# KiCad board prrplsattiny20_panel.kicad_pcb (continued)
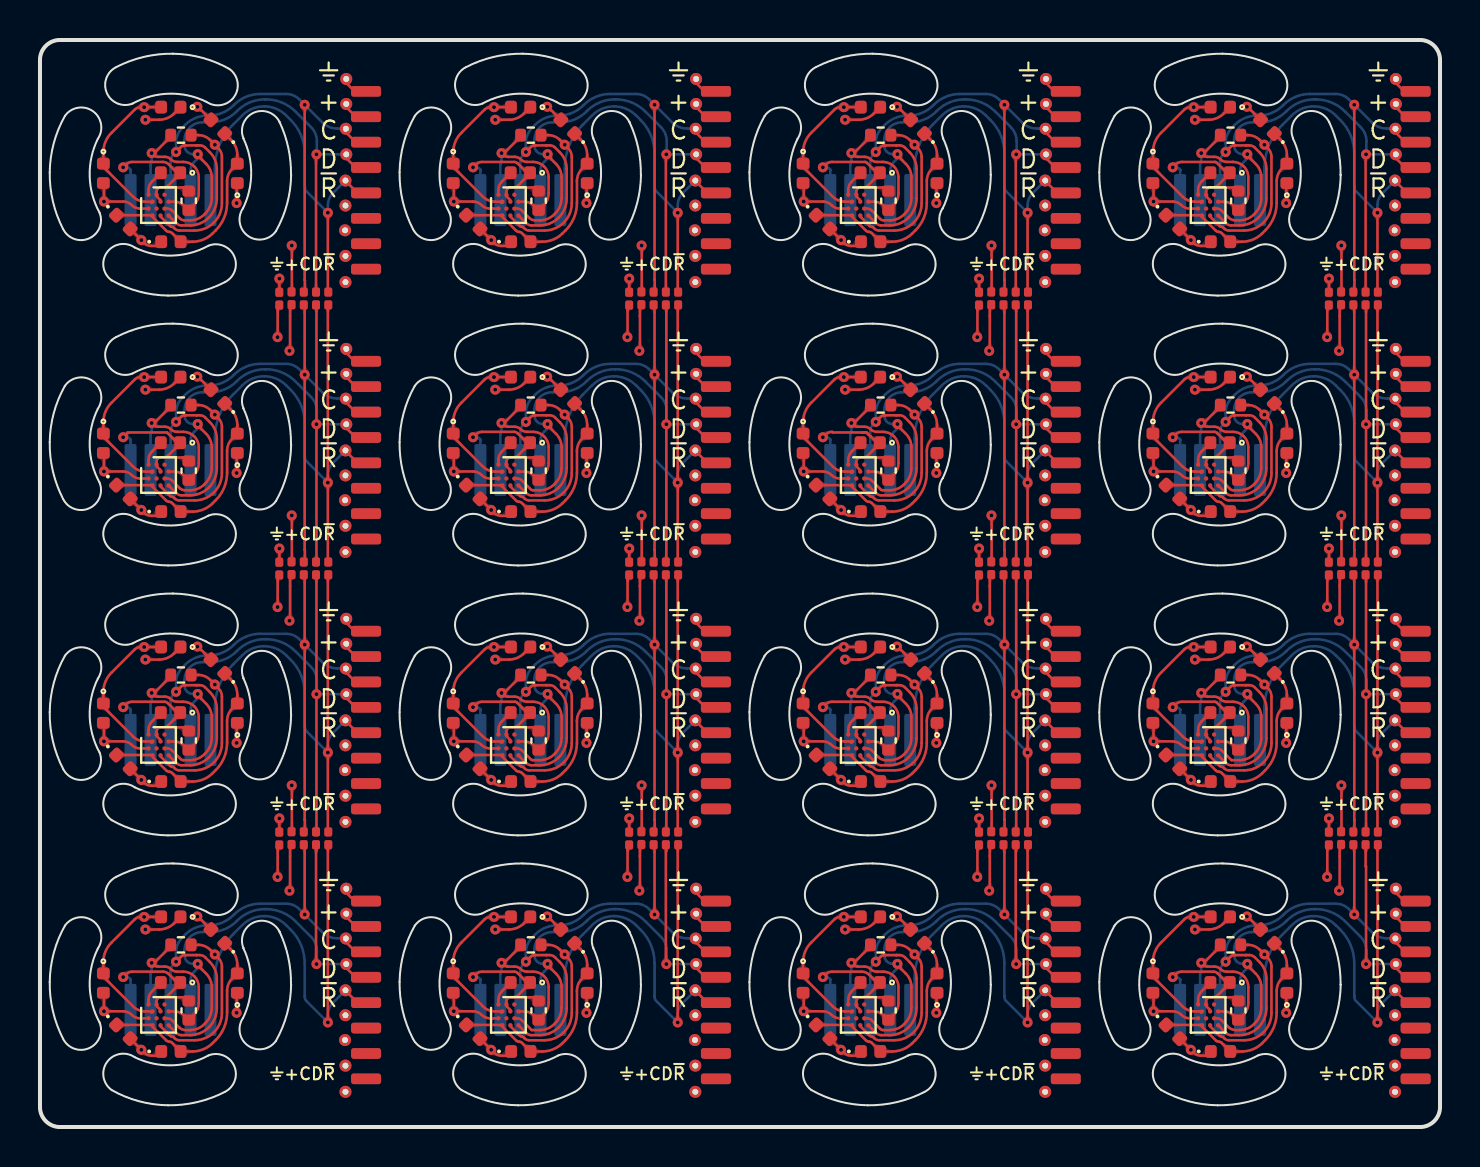
[diagram p0: board, top side]
## Nets (continued)
/~{RESET}: J1.5 J2.01 J3.5 J4.01 J5.5 J6.01 J7.5 J8.01 J9.5 J10.01 J11.5 J12.01 J13.5 J14.01 J15.5 J16.01 J17.5 J18.01 J19.5 J20.01 J21.5 J22.01 J23.5 J24.01 J25.5 J26.01 J27.5 J28.01 J29.5 J30.01 J31.5 J32.01 JP1010.1 JP1010.2 JP1015.1 JP1015.2 JP1020.1 JP1020.2 JP1025.1 JP1025.2 JP1030.1 JP1030.2 JP1035.1 JP1035.2 JP1040.1 JP1040.2 JP1045.1 JP1045.2 JP1050.1 JP1050.2 JP1055.1 JP1055.2 JP1060.1 JP1060.2 JP1065.1 JP1065.2 R1.1 R2.1 R3.1 R4.1 R5.1 R6.1 R7.1 R8.1 R9.1 R10.1 R11.1 R12.1 R13.1 R14.1 R15.1 R16.1 U1.D4 U2.D4 U3.D4 U4.D4 U5.D4 U6.D4 U7.D4 U8.D4 U9.D4 U10.D4 U11.D4 U12.D4 U13.D4 U14.D4 U15.D4 U16.D4

Pads without a net: J1 6 7 8 9 10 11 12 13 14 15 16; J3 6 7 8 9 10 11 12 13 14 15 16; J5 6 7 8 9 10 11 12 13 14 15 16; J7 6 7 8 9 10 11 12 13 14 15 16; J9 6 7 8 9 10 11 12 13 14 15 16; J11 6 7 8 9 10 11 12 13 14 15 16; J13 6 7 8 9 10 11 12 13 14 15 16; J15 6 7 8 9 10 11 12 13 14 15 16; J17 6 7 8 9 10 11 12 13 14 15 16; J19 6 7 8 9 10 11 12 13 14 15 16; J21 6 7 8 9 10 11 12 13 14 15 16; J23 6 7 8 9 10 11 12 13 14 15 16; J25 6 7 8 9 10 11 12 13 14 15 16; J27 6 7 8 9 10 11 12 13 14 15 16; J29 6 7 8 9 10 11 12 13 14 15 16; J31 6 7 8 9 10 11 12 13 14 15 16; U1 A5 C3; U2 A5 C3; U3 A5 C3; U4 A5 C3; U5 A5 C3; U6 A5 C3; U7 A5 C3; U8 A5 C3; U9 A5 C3; U10 A5 C3; U11 A5 C3; U12 A5 C3; U13 A5 C3; U14 A5 C3; U15 A5 C3; U16 A5 C3

## Via types
v1: diameter 0.5, hole 0.2, Top to Bottom, 272 vias

## Routing (per net, layer and track width the routed paths; a pad name or vN(x,y) marks a point on that pad's centre or on a via; arc(x,y) is an arc through that point)
+5V: length 216.6
  Top w0.127: 24.02,49.52 23.25,48.75 arc(23.21,48.72) 23.15,48.71 v1(23.09,48.71) 23.18,48.62 arc(23.28,48.55) 23.4,48.53 23.75,48.53 arc(23.91,48.49) 24.05,48.4 arc(24.19,48.3) 24.36,48.27 24.67,48.27 arc(24.97,48.21) 25.22,48.04 arc(25.38,47.79) 25.44,47.5 25.44,46.71 arc(25.38,46.38) 25.19,46.1 25.16,46.07 arc(24.94,45.98) 24.72,46.07 24.71,46.08 arc(24.48,46.23) 24.22,46.28 U3.B6 ; v1(47.59,44.09) 47.6,44.09 arc(47.6,44.08) 47.6,44.08 47.6,41.79 ; v1(29.98,25.32) 30,25.34 arc(30.01,25.35) 30.01,25.37 30.01,27.49 ; 32.85,23.98 33.35,23.48 ; 30.1,41.79 30.1,44.08 arc(30.1,44.08) 30.1,44.09 v1(30.09,44.09) ; 32.85,50.98 33.35,50.48 ; U9.B6 59.22,32.78 arc(59.48,32.73) 59.71,32.58 C9.1 60.19,32.6 arc(60.38,32.88) 60.44,33.21 60.44,34 arc(60.38,34.29) 60.22,34.54 arc(59.97,34.71) 59.67,34.77 59.36,34.77 arc(59.19,34.8) 59.05,34.9 arc(58.91,34.99) 58.75,35.03 58.4,35.03 arc(58.28,35.05) 58.18,35.12 v1(58.09,35.21) 58.15,35.21 arc(58.21,35.22) 58.25,35.25 59.02,36.02 ; 6.52,9.02 5.75,8.25 arc(5.71,8.22) 5.65,8.21 v1(5.59,8.21) 5.68,8.12 arc(5.78,8.05) 5.9,8.03 6.25,8.03 arc(6.41,7.99) 6.55,7.9 arc(6.69,7.8) 6.86,7.77 7.17,7.77 arc(7.47,7.71) 7.72,7.54 arc(7.88,7.29) 7.94,7 7.94,6.21 arc(7.88,5.88) 7.69,5.6 7.66,5.57 arc(7.44,5.48) 7.22,5.57 7.21,5.58 arc(6.98,5.73) 6.72,5.78 U14.B6 ; v1(12.48,38.82) 12.5,38.84 arc(12.51,38.85) 12.51,38.87 12.51,40.99 ; 50.35,37.48 50.85,36.98 ; 47.51,27.49 47.51,25.37 arc(47.51,25.35) 47.5,25.34 v1(47.48,25.32) ; 12.6,41.79 12.6,44.08 arc(12.6,44.08) 12.6,44.09 v1(12.59,44.09) ; 30.01,13.99 30.01,11.87 arc(30.01,11.85) 30,11.84 v1(29.98,11.82) ; v1(12.59,17.09) 12.6,17.09 arc(12.6,17.08) 12.6,17.08 12.6,14.79 ; U6.B6 6.72,32.78 arc(6.98,32.73) 7.21,32.58 7.22,32.57 arc(7.44,32.48) 7.66,32.57 7.69,32.6 arc(7.88,32.88) 7.94,33.21 7.94,34 arc(7.88,34.29) 7.72,34.54 arc(7.47,34.71) 7.17,34.77 6.86,34.77 arc(6.69,34.8) 6.55,34.9 arc(6.41,34.99) 6.25,35.03 5.9,35.03 arc(5.78,35.05) 5.68,35.12 v1(5.59,35.21) 5.65,35.21 arc(5.71,35.22) 5.75,35.25 6.52,36.02 ; U13.B6 59.22,19.28 arc(59.48,19.23) 59.71,19.08 C13.1 60.19,19.1 arc(60.38,19.38) 60.44,19.71 60.44,20.5 arc(60.38,20.79) 60.22,21.04 arc(59.97,21.21) 59.67,21.27 59.36,21.27 arc(59.19,21.3) 59.05,21.4 arc(58.91,21.49) 58.75,21.53 58.4,21.53 arc(58.28,21.55) 58.18,21.62 v1(58.09,21.71) 58.15,21.71 arc(58.21,21.72) 58.25,21.75 59.02,22.52 ; U4.B6 41.72,46.28 arc(41.98,46.23) 42.21,46.08 C4.1 42.69,46.1 arc(42.88,46.38) 42.94,46.71 42.94,47.5 arc(42.88,47.79) 42.72,48.04 arc(42.47,48.21) 42.17,48.27 41.86,48.27 arc(41.69,48.3) 41.55,48.4 arc(41.41,48.49) 41.25,48.53 40.9,48.53 arc(40.78,48.55) 40.68,48.62 v1(40.59,48.71) 40.65,48.71 arc(40.71,48.72) 40.75,48.75 41.52,49.52 ; 65.1,14.79 65.1,17.08 arc(65.1,17.08) 65.1,17.09 v1(65.09,17.09) ; 24.02,36.02 23.25,35.25 arc(23.21,35.22) 23.15,35.21 v1(23.09,35.21) 23.18,35.12 arc(23.28,35.05) 23.4,35.03 23.75,35.03 arc(23.91,34.99) 24.05,34.9 arc(24.19,34.8) 24.36,34.77 24.67,34.77 arc(24.97,34.71) 25.22,34.54 arc(25.38,34.29) 25.44,34 25.44,33.21 arc(25.38,32.88) 25.19,32.6 25.16,32.57 arc(24.94,32.48) 24.72,32.57 24.71,32.58 arc(24.48,32.73) 24.22,32.78 U7.B6 ; 15.35,37.48 15.85,36.98 ; 30.01,40.99 30.01,38.87 arc(30.01,38.85) 30,38.84 v1(29.98,38.82) ; 67.85,23.98 68.35,23.48 ; 6.52,22.52 5.75,21.75 arc(5.71,21.72) 5.65,21.71 v1(5.59,21.71) 5.68,21.62 arc(5.78,21.55) 5.9,21.53 6.25,21.53 arc(6.41,21.49) 6.55,21.4 arc(6.69,21.3) 6.86,21.27 7.17,21.27 arc(7.47,21.21) 7.72,21.04 arc(7.88,20.79) 7.94,20.5 7.94,19.71 arc(7.88,19.38) 7.69,19.1 7.66,19.07 arc(7.44,18.98) 7.22,19.07 7.21,19.08 arc(6.98,19.23) 6.72,19.28 U10.B6 ; 67.85,50.98 68.35,50.48 ; U12.B6 41.72,19.28 arc(41.98,19.23) 42.21,19.08 C12.1 42.69,19.1 arc(42.88,19.38) 42.94,19.71 42.94,20.5 arc(42.88,20.79) 42.72,21.04 arc(42.47,21.21) 42.17,21.27 41.86,21.27 arc(41.69,21.3) 41.55,21.4 arc(41.41,21.49) 41.25,21.53 40.9,21.53 arc(40.78,21.55) 40.68,21.62 v1(40.59,21.71) 40.65,21.71 arc(40.71,21.72) 40.75,21.75 41.52,22.52 ; 50.35,10.48 50.85,9.98 ; 12.51,13.99 12.51,11.87 arc(12.51,11.85) 12.5,11.84 v1(12.48,11.82) ; 30.1,14.79 30.1,17.08 arc(30.1,17.08) 30.1,17.09 v1(30.09,17.09) ; 24.02,9.02 23.25,8.25 arc(23.21,8.22) 23.15,8.21 v1(23.09,8.21) 23.18,8.12 arc(23.28,8.05) 23.4,8.03 23.75,8.03 arc(23.91,7.99) 24.05,7.9 arc(24.19,7.8) 24.36,7.77 24.67,7.77 arc(24.97,7.71) 25.22,7.54 arc(25.38,7.29) 25.44,7 25.44,6.21 arc(25.38,5.88) 25.19,5.6 25.16,5.57 arc(24.94,5.48) 24.72,5.57 24.71,5.58 arc(24.48,5.73) 24.22,5.78 U15.B6 ; 41.52,9.02 40.75,8.25 arc(40.71,8.22) 40.65,8.21 v1(40.59,8.21) 40.68,8.12 arc(40.78,8.05) 40.9,8.03 41.25,8.03 arc(41.41,7.99) 41.55,7.9 arc(41.69,7.8) 41.86,7.77 42.17,7.77 arc(42.47,7.71) 42.72,7.54 arc(42.88,7.29) 42.94,7 42.94,6.21 arc(42.88,5.88) 42.69,5.6 C16.1 42.21,5.58 arc(41.98,5.73) 41.72,5.78 U16.B6 ; 65.01,27.49 65.01,25.37 arc(65.01,25.35) 64.99,25.34 v1(64.98,25.32) ; 47.51,40.99 47.51,38.87 arc(47.51,38.85) 47.5,38.84 v1(47.48,38.82) ; 67.85,10.48 68.35,9.98 ; 47.51,13.99 47.51,11.87 arc(47.51,11.85) 47.5,11.84 v1(47.48,11.82) ; v1(65.09,30.59) 65.1,30.59 arc(65.1,30.58) 65.1,30.58 65.1,28.29 ; 65.01,40.99 65.01,38.87 arc(65.01,38.85) 64.99,38.84 v1(64.98,38.82) ; v1(65.09,44.09) 65.1,44.09 arc(65.1,44.08) 65.1,44.08 65.1,41.79 ; 15.35,23.98 15.85,23.48 ; U1.B6 59.22,5.78 arc(59.48,5.73) 59.71,5.58 C1.1 60.19,5.6 arc(60.38,5.88) 60.44,6.21 60.44,7 arc(60.38,7.29) 60.22,7.54 arc(59.97,7.71) 59.67,7.77 59.36,7.77 arc(59.19,7.8) 59.05,7.9 arc(58.91,7.99) 58.75,8.03 58.4,8.03 arc(58.28,8.05) 58.18,8.12 v1(58.09,8.21) 58.15,8.21 arc(58.21,8.22) 58.25,8.25 59.02,9.02 ; 59.02,49.52 58.25,48.75 arc(58.21,48.72) 58.15,48.71 v1(58.09,48.71) 58.18,48.62 arc(58.28,48.55) 58.4,48.53 58.75,48.53 arc(58.91,48.49) 59.05,48.4 arc(59.19,48.3) 59.36,48.27 59.67,48.27 arc(59.97,48.21) 60.22,48.04 arc(60.38,47.79) 60.44,47.5 60.44,46.71 arc(60.38,46.38) 60.19,46.1 C5.1 59.71,46.08 arc(59.48,46.23) 59.22,46.28 U5.B6 ; 50.35,50.98 50.85,50.48 ; 41.52,36.02 40.75,35.25 arc(40.71,35.22) 40.65,35.21 v1(40.59,35.21) 40.68,35.12 arc(40.78,35.05) 40.9,35.03 41.25,35.03 arc(41.41,34.99) 41.55,34.9 arc(41.69,34.8) 41.86,34.77 42.17,34.77 arc(42.47,34.71) 42.72,34.54 arc(42.88,34.29) 42.94,34 42.94,33.21 arc(42.88,32.88) 42.69,32.6 C8.1 42.21,32.58 arc(41.98,32.73) 41.72,32.78 U8.B6 ; 15.35,50.98 15.85,50.48 ; 12.6,28.29 12.6,30.58 arc(12.6,30.58) 12.6,30.59 v1(12.59,30.59) ; v1(47.59,17.09) 47.6,17.09 arc(47.6,17.08) 47.6,17.08 47.6,14.79 ; v1(47.59,30.59) 47.6,30.59 arc(47.6,30.58) 47.6,30.58 47.6,28.29 ; 67.85,37.48 68.35,36.98 ; v1(12.48,25.32) 12.5,25.34 arc(12.51,25.35) 12.51,25.37 12.51,27.49 ; 50.35,23.98 50.85,23.48 ; 30.1,28.29 30.1,30.58 arc(30.1,30.58) 30.1,30.59 v1(30.09,30.59) ; 6.52,49.52 5.75,48.75 arc(5.71,48.72) 5.65,48.71 v1(5.59,48.71) 5.68,48.62 arc(5.78,48.55) 5.9,48.53 6.25,48.53 arc(6.41,48.49) 6.55,48.4 arc(6.69,48.3) 6.86,48.27 7.17,48.27 arc(7.47,48.21) 7.72,48.04 arc(7.88,47.79) 7.94,47.5 7.94,46.71 arc(7.88,46.38) 7.69,46.1 7.66,46.07 arc(7.44,45.98) 7.22,46.07 7.21,46.08 arc(6.98,46.23) 6.72,46.28 U2.B6 ; U11.B6 24.22,19.28 arc(24.48,19.23) 24.71,19.08 24.72,19.07 arc(24.94,18.98) 25.16,19.07 25.19,19.1 arc(25.38,19.38) 25.44,19.71 25.44,20.5 arc(25.38,20.79) 25.22,21.04 arc(24.97,21.21) 24.67,21.27 24.36,21.27 arc(24.19,21.3) 24.05,21.4 arc(23.91,21.49) 23.75,21.53 23.4,21.53 arc(23.28,21.55) 23.18,21.62 v1(23.09,21.71) 23.15,21.71 arc(23.21,21.72) 23.25,21.75 24.02,22.52 ; 32.85,10.48 33.35,9.98 ; 15.35,10.48 15.85,9.98 ; 65.01,13.99 65.01,11.87 arc(65.01,11.85) 64.99,11.84 v1(64.98,11.82) ; 32.85,37.48 33.35,36.98
  Bottom w0.127: v1(40.59,48.71) 40.59,48.27 arc(40.58,48.24) 40.56,48.21 arc(40.54,48.18) 40.53,48.14 J8.04 ; J18.04 58.03,34.64 arc(58.04,34.68) 58.06,34.71 arc(58.08,34.74) 58.09,34.77 v1(58.09,35.21) ; J22.04 23.03,21.14 arc(23.04,21.18) 23.06,21.21 arc(23.08,21.24) 23.09,21.27 v1(23.09,21.71) ; v1(58.09,8.21) 58.09,7.77 arc(58.08,7.74) 58.06,7.71 arc(58.04,7.68) 58.03,7.64 J2.04 ; v1(58.09,48.71) 58.09,48.27 arc(58.08,48.24) 58.06,48.21 arc(58.04,48.18) 58.03,48.14 J10.04 ; J20.04 5.53,21.14 arc(5.54,21.18) 5.56,21.21 arc(5.58,21.24) 5.59,21.27 v1(5.59,21.71) ; v1(5.59,8.21) 5.59,7.77 arc(5.58,7.74) 5.56,7.71 arc(5.54,7.68) 5.53,7.64 J28.04 ; v1(40.59,8.21) 40.59,7.77 arc(40.58,7.74) 40.56,7.71 arc(40.54,7.68) 40.53,7.64 J32.04 ; v1(58.09,21.71) 58.09,21.27 arc(58.08,21.24) 58.06,21.21 arc(58.04,21.18) 58.03,21.14 J26.04 ; J6.04 23.03,48.14 arc(23.04,48.18) 23.06,48.21 arc(23.08,48.24) 23.09,48.27 v1(23.09,48.71) ; J14.04 23.03,34.64 arc(23.04,34.68) 23.06,34.71 arc(23.08,34.74) 23.09,34.77 v1(23.09,35.21) ; J24.04 40.53,21.14 arc(40.54,21.18) 40.56,21.21 arc(40.58,21.24) 40.59,21.27 v1(40.59,21.71) ; J30.04 23.03,7.64 arc(23.04,7.68) 23.06,7.71 arc(23.08,7.74) 23.09,7.77 v1(23.09,8.21) ; v1(40.59,35.21) 40.59,34.77 arc(40.58,34.74) 40.56,34.71 arc(40.54,34.68) 40.53,34.64 J16.04 ; J4.04 5.53,48.14 arc(5.54,48.18) 5.56,48.21 arc(5.58,48.24) 5.59,48.27 v1(5.59,48.71) ; J12.04 5.53,34.64 arc(5.54,34.68) 5.56,34.71 arc(5.58,34.74) 5.59,34.77 v1(5.59,35.21)
GND: length 168.9
  Top w0.127: 41.12,34.74 41.23,34.74 41.34,34.74 41.53,34.55 ; 41.12,34.74 41.26,34.74 ; 41.12,34.74 39.65,34.74 39.62,34.77 arc(39.44,34.73) 39.3,34.64 v1(39.16,34.5) ; 24.5,7.18 23.92,6.6 arc(23.8,6.52) 23.65,6.49 23.51,6.49 ; 15.35,25.19 15.79,24.75 ; 59.5,20.68 58.92,20.1 arc(58.8,20.02) 58.65,19.99 58.51,19.99 ; 11.89,27.57 11.89,26.11 arc(11.89,26.11) 11.89,26.11 arc(11.88,26.1) 11.88,26.1 v1(11.88,26.01) ; 24.36,7.23 23.88,7.71 arc(23.81,7.75) 23.73,7.77 22.12,7.77 arc(21.94,7.73) 21.8,7.64 v1(21.66,7.5) ; 5.83,19.67 5.83,19.79 arc(5.85,19.86) 5.89,19.93 5.94,19.98 arc(5.95,19.99) 5.97,19.99 6.01,19.99 ; v1(21.66,21) 21.8,21.14 arc(21.94,21.23) 22.12,21.27 23.76,21.27 arc(23.82,21.26) 23.86,21.23 24.36,20.73 ; v1(29.38,12.51) 29.38,12.6 arc(29.38,12.6) 29.39,12.61 arc(29.39,12.61) 29.39,12.61 29.39,14.07 ; v1(11.97,15.44) 11.97,14.91 ; v1(64.47,42.44) 64.47,41.91 ; 58.51,6.49 58.47,6.49 arc(58.45,6.49) 58.44,6.48 58.39,6.43 arc(58.35,6.36) 58.33,6.29 58.33,6.17 ; 58.51,6.49 59.63,6.49 arc(59.75,6.47) 59.85,6.4 ; 58.51,6.49 58.65,6.49 arc(58.8,6.52) 58.92,6.6 59.5,7.18 ; 23.51,6.49 23.47,6.49 arc(23.45,6.49) 23.44,6.48 23.39,6.43 arc(23.35,6.36) 23.33,6.29 23.33,6.17 ; 23.51,6.49 24.63,6.49 arc(24.75,6.47) 24.85,6.4 ; 58.51,33.49 58.47,33.49 arc(58.45,33.49) 58.44,33.48 58.39,33.43 arc(58.35,33.36) 58.33,33.29 58.33,33.17 ; 58.51,33.49 58.65,33.49 arc(58.8,33.52) 58.92,33.6 59.5,34.18 ; 58.51,33.49 59.63,33.49 arc(59.75,33.47) 59.85,33.4 ; v1(46.97,28.94) 46.97,28.41 ; 6.01,6.49 6.15,6.49 arc(6.3,6.52) 6.42,6.6 7,7.18 ; 6.01,6.49 5.97,6.49 arc(5.95,6.49) 5.94,6.48 5.89,6.43 arc(5.85,6.36) 5.83,6.29 5.83,6.17 ; 6.01,6.49 7.13,6.49 arc(7.25,6.47) 7.35,6.4 ; 41.01,19.99 40.97,19.99 arc(40.95,19.99) 40.94,19.98 40.89,19.93 arc(40.85,19.86) 40.83,19.79 40.83,19.67 ; 41.01,19.99 42.13,19.99 arc(42.25,19.97) 42.35,19.9 ; 41.01,19.99 41.15,19.99 arc(41.3,20.02) 41.42,20.1 42,20.68 ; 23.51,19.99 23.47,19.99 arc(23.45,19.99) 23.44,19.98 23.39,19.93 arc(23.35,19.86) 23.33,19.79 23.33,19.67 ; 23.51,19.99 23.65,19.99 arc(23.8,20.02) 23.92,20.1 24.5,20.68 ; 23.51,19.99 24.63,19.99 arc(24.75,19.97) 24.85,19.9 ; v1(39.16,48) 39.3,48.14 arc(39.44,48.23) 39.62,48.27 41.27,48.27 arc(41.32,48.26) 41.35,48.24 41.86,47.73 ; 58.51,19.99 58.47,19.99 arc(58.45,19.99) 58.44,19.98 58.39,19.93 arc(58.35,19.86) 58.33,19.79 58.33,19.67 ; 58.51,19.99 59.63,19.99 arc(59.75,19.97) 59.85,19.9 ; 50.35,52.19 50.79,51.75 ; 40.83,33.17 40.83,33.29 arc(40.85,33.36) 40.89,33.43 40.94,33.48 arc(40.95,33.49) 40.97,33.49 41.01,33.49 ; v1(29.47,15.44) 29.47,14.91 ; 23.51,33.49 23.47,33.49 arc(23.45,33.49) 23.44,33.48 23.39,33.43 arc(23.35,33.36) 23.33,33.29 23.33,33.17 ; 23.51,33.49 24.63,33.49 arc(24.75,33.47) 24.85,33.4 ; 23.51,33.49 23.65,33.49 arc(23.8,33.52) 23.92,33.6 24.5,34.18 ; v1(56.66,34.5) 56.8,34.64 arc(56.94,34.73) 57.12,34.77 58.74,34.77 arc(58.81,34.76) 58.88,34.71 59.36,34.23 ; 42,7.18 41.42,6.6 arc(41.3,6.52) 41.15,6.49 41.01,6.49 ; v1(64.47,15.44) 64.47,14.91 ; 67.85,38.69 68.29,38.25 ; v1(64.38,39.51) 64.38,39.6 arc(64.38,39.6) 64.39,39.61 arc(64.39,39.61) 64.39,39.61 64.39,41.07 ; 46.89,41.07 46.89,39.61 arc(46.89,39.61) 46.89,39.61 arc(46.88,39.6) 46.88,39.6 v1(46.88,39.51) ; 6.86,47.73 6.44,48.15 arc(6.31,48.24) 6.15,48.27 4.62,48.27 arc(4.44,48.23) 4.3,48.14 v1(4.16,48) ; 11.89,14.07 11.89,12.61 arc(11.89,12.61) 11.89,12.61 arc(11.88,12.6) 11.88,12.6 v1(11.88,12.51) ; 7,20.68 6.42,20.1 arc(6.3,20.02) 6.15,19.99 6.01,19.99 ; 11.89,41.07 11.89,39.61 arc(11.89,39.61) 11.89,39.61 arc(11.88,39.6) 11.88,39.6 v1(11.88,39.51) ; 23.51,46.99 23.65,46.99 arc(23.8,47.02) 23.92,47.1 24.5,47.68 ; 23.51,46.99 23.47,46.99 arc(23.45,46.99) 23.44,46.98 23.39,46.93 arc(23.35,46.86) 23.33,46.79 23.33,46.67 ; 23.51,46.99 24.63,46.99 arc(24.75,46.97) 24.85,46.9 ; v1(11.97,42.44) 11.97,41.91 ; 58.33,46.67 58.33,46.79 arc(58.35,46.86) 58.39,46.93 58.44,46.98 arc(58.45,46.99) 58.47,46.99 58.51,46.99 ; 6.01,33.49 5.97,33.49 arc(5.95,33.49) 5.94,33.48 5.89,33.43 arc(5.85,33.36) 5.83,33.29 5.83,33.17 ; 6.01,33.49 6.15,33.49 arc(6.3,33.52) 6.42,33.6 7,34.18 ; 6.01,33.49 7.13,33.49 arc(7.25,33.47) 7.35,33.4 ; 41.01,6.49 40.97,6.49 arc(40.95,6.49) 40.94,6.48 40.89,6.43 arc(40.85,6.36) 40.83,6.29 40.83,6.17 ; 41.01,6.49 42.13,6.49 arc(42.25,6.47) 42.35,6.4 ; 41.01,46.99 42.13,46.99 arc(42.25,46.97) 42.35,46.9 ; 41.01,46.99 40.97,46.99 arc(40.95,46.99) 40.94,46.98 40.89,46.93 arc(40.85,46.86) 40.83,46.79 40.83,46.67 ; 41.01,46.99 41.15,46.99 arc(41.3,47.02) 41.42,47.1 42,47.68 ; 67.85,11.69 68.29,11.25 ; 24.36,47.73 23.89,48.2 arc(23.81,48.25) 23.71,48.27 22.12,48.27 arc(21.94,48.23) 21.8,48.14 v1(21.66,48) ; v1(46.88,26.01) 46.88,26.1 arc(46.88,26.1) 46.89,26.11 arc(46.89,26.11) 46.89,26.11 46.89,27.57 ; 6.86,34.23 6.35,34.74 4.4,34.74 v1(4.16,34.5) ; v1(29.47,28.94) 29.47,28.41 ; 6.01,46.99 5.97,46.99 arc(5.95,46.99) 5.94,46.98 5.89,46.93 arc(5.85,46.86) 5.83,46.79 5.83,46.67 ; 6.01,46.99 6.15,46.99 arc(6.3,47.02) 6.42,47.1 7,47.68 ; 6.01,46.99 7.13,46.99 arc(7.25,46.97) 7.35,46.9 ; 15.35,38.69 15.79,38.25 ; 59.36,47.73 58.85,48.24 arc(58.82,48.26) 58.78,48.27 57.12,48.27 arc(56.94,48.23) 56.8,48.14 v1(56.66,48) ; 29.39,27.57 29.39,26.11 arc(29.39,26.11) 29.39,26.11 arc(29.38,26.1) 29.38,26.1 v1(29.38,26.01) ; 32.85,38.69 33.29,38.25 ; 67.85,52.19 68.29,51.75 ; v1(64.38,12.51) 64.38,12.6 arc(64.38,12.6) 64.39,12.61 arc(64.39,12.61) 64.39,12.61 64.39,14.07 ; 41.35,34.74 41.86,34.23 ; 24.36,34.23 23.9,34.69 arc(23.81,34.75) 23.71,34.77 22.12,34.77 arc(21.94,34.73) 21.8,34.64 v1(21.66,34.5) ; 32.85,11.69 33.29,11.25 ; 41.01,33.49 42.13,33.49 arc(42.25,33.47) 42.35,33.4 ; 41.01,33.49 41.15,33.49 arc(41.3,33.52) 41.42,33.6 42,34.18 ; 15.35,11.69 15.79,11.25 ; v1(39.16,21) 39.3,21.14 arc(39.44,21.23) 39.62,21.27 41.14,21.27 arc(41.31,21.24) 41.45,21.14 41.86,20.73 ; 6.01,19.99 7.13,19.99 arc(7.25,19.97) 7.35,19.9 ; 6.86,7.23 6.44,7.65 arc(6.31,7.74) 6.16,7.77 4.62,7.77 arc(4.44,7.73) 4.3,7.64 v1(4.16,7.5) ; 50.35,11.69 50.79,11.25 ; v1(29.47,42.44) 29.47,41.91 ; v1(56.66,7.5) 56.8,7.64 arc(56.94,7.73) 57.12,7.77 58.7,7.77 arc(58.81,7.75) 58.9,7.69 59.36,7.23 ; 67.85,25.19 68.29,24.75 ; v1(11.97,28.94) 11.97,28.41 ; v1(64.38,26.01) 64.38,26.1 arc(64.38,26.1) 64.39,26.11 arc(64.39,26.11) 64.39,26.11 64.39,27.57 ; 58.51,46.99 59.63,46.99 arc(59.75,46.97) 59.85,46.9 ; 58.51,46.99 58.65,46.99 arc(58.8,47.02) 58.92,47.1 59.5,47.68 ; 46.89,14.07 46.89,12.61 arc(46.89,12.61) 46.89,12.61 arc(46.88,12.6) 46.88,12.6 v1(46.88,12.51) ; v1(56.66,21) 56.8,21.14 arc(56.94,21.23) 57.12,21.27 58.77,21.27 arc(58.82,21.26) 58.86,21.23 59.36,20.73 ; v1(64.47,28.94) 64.47,28.41 ; v1(46.97,15.44) 46.97,14.91 ; v1(29.38,39.51) 29.38,39.6 arc(29.38,39.6) 29.39,39.61 arc(29.39,39.61) 29.39,39.61 29.39,41.07 ; v1(4.16,21) 4.3,21.14 arc(4.44,21.23) 4.62,21.27 6.24,21.27 arc(6.31,21.25) 6.38,21.21 6.86,20.73 ; v1(46.97,42.44) 46.97,41.91 ; 50.35,38.69 50.79,38.25 ; 41.86,7.23 41.47,7.62 arc(41.3,7.73) 41.11,7.77 39.62,7.77 arc(39.44,7.73) 39.3,7.64 v1(39.16,7.5) ; 32.85,52.19 33.29,51.75 ; 50.35,25.19 50.79,24.75 ; 15.35,52.19 15.79,51.75 ; 32.85,25.19 33.29,24.75 ; 41.03,19.32 arc(41.02,19.35) 41.01,19.37 40.86,19.52 arc(40.84,19.55) 40.83,19.59 ; 23.53,5.82 arc(23.52,5.85) 23.51,5.87 23.36,6.02 arc(23.34,6.05) 23.33,6.09 ; 40.83,33.09 arc(40.84,33.05) 40.86,33.02 41.01,32.87 arc(41.02,32.85) 41.03,32.82 ; 23.53,32.82 arc(23.52,32.85) 23.51,32.87 23.36,33.02 arc(23.34,33.05) 23.33,33.09 ; 23.33,46.59 arc(23.34,46.55) 23.36,46.52 23.51,46.37 arc(23.52,46.35) 23.53,46.32 ; 5.83,6.09 arc(5.84,6.05) 5.86,6.02 6.01,5.87 arc(6.02,5.85) 6.03,5.82 ; 58.53,32.82 arc(58.52,32.85) 58.51,32.87 58.36,33.02 arc(58.34,33.05) 58.33,33.09 ; 23.53,19.32 arc(23.52,19.35) 23.51,19.37 23.36,19.52 arc(23.34,19.55) 23.33,19.59 ; 58.33,19.59 arc(58.34,19.55) 58.36,19.52 58.51,19.37 arc(58.52,19.35) 58.53,19.32 ; 58.53,5.82 arc(58.52,5.85) 58.51,5.87 58.36,6.02 arc(58.34,6.05) 58.33,6.09 ; 58.53,46.32 arc(58.52,46.35) 58.51,46.37 58.36,46.52 arc(58.34,46.55) 58.33,46.59 ; 5.83,19.59 arc(5.84,19.55) 5.86,19.52 6.01,19.37 arc(6.02,19.35) 6.03,19.32 ; 5.83,33.09 arc(5.84,33.05) 5.86,33.02 6.01,32.87 arc(6.02,32.85) 6.03,32.82 ; 41.03,46.32 arc(41.02,46.35) 41.01,46.37 40.86,46.52 arc(40.84,46.55) 40.83,46.59 ; 5.83,46.59 arc(5.84,46.55) 5.86,46.52 6.01,46.37 arc(6.02,46.35) 6.03,46.32 ; 41.03,5.82 arc(41.02,5.85) 41.01,5.87 40.86,6.02 arc(40.84,6.05) 40.83,6.09
  Bottom w0.127: J18.05 57.03,34.33 arc(57.03,34.34) 57.03,34.34 arc(57.04,34.35) 57.04,34.36 57.04,34.36 arc(57.04,34.38) 57.03,34.39 56.98,34.44 arc(56.91,34.48) 56.83,34.5 v1(56.66,34.5) ; v1(4.16,7.5) 4.33,7.5 arc(4.41,7.48) 4.48,7.44 4.53,7.39 arc(4.54,7.38) 4.54,7.36 4.54,7.36 arc(4.54,7.35) 4.53,7.34 arc(4.53,7.34) 4.53,7.33 J28.05 ; J30.05 22.03,7.33 arc(22.03,7.34) 22.03,7.34 arc(22.04,7.35) 22.04,7.36 22.04,7.36 arc(22.04,7.38) 22.03,7.39 21.98,7.44 arc(21.91,7.48) 21.83,7.5 v1(21.66,7.5) ; J6.05 22.03,47.83 arc(22.03,47.84) 22.03,47.84 arc(22.04,47.85) 22.04,47.86 22.04,47.86 arc(22.04,47.88) 22.03,47.89 21.98,47.94 arc(21.91,47.98) 21.83,48 v1(21.66,48) ; J32.05 39.53,7.33 arc(39.53,7.34) 39.53,7.34 arc(39.54,7.35) 39.54,7.36 39.54,7.36 arc(39.54,7.38) 39.53,7.39 39.48,7.44 arc(39.41,7.48) 39.33,7.5 v1(39.16,7.5) ; v1(56.66,48) 56.83,48 arc(56.91,47.98) 56.98,47.94 57.03,47.89 arc(57.04,47.88) 57.04,47.86 57.04,47.86 arc(57.04,47.85) 57.03,47.84 arc(57.03,47.84) 57.03,47.83 J10.05 ; v1(56.66,7.5) 56.83,7.5 arc(56.91,7.48) 56.98,7.44 57.03,7.39 arc(57.04,7.38) 57.04,7.36 57.04,7.36 arc(57.04,7.35) 57.03,7.34 arc(57.03,7.34) 57.03,7.33 J2.05 ; v1(4.16,48) 4.33,48 arc(4.41,47.98) 4.48,47.94 4.53,47.89 arc(4.54,47.88) 4.54,47.86 4.54,47.86 arc(4.54,47.85) 4.53,47.84 arc(4.53,47.84) 4.53,47.83 J4.05 ; J24.05 39.53,20.83 arc(39.53,20.84) 39.53,20.84 arc(39.54,20.85) 39.54,20.86 39.54,20.86 arc(39.54,20.88) 39.53,20.89 39.48,20.94 arc(39.41,20.98) 39.33,21 v1(39.16,21) ; v1(21.66,34.5) 21.83,34.5 arc(21.91,34.48) 21.98,34.44 22.03,34.39 arc(22.04,34.38) 22.04,34.36 22.04,34.36 arc(22.04,34.35) 22.03,34.34 arc(22.03,34.34) 22.03,34.33 J14.05 ; v1(4.16,34.5) 4.33,34.5 arc(4.41,34.48) 4.48,34.44 4.53,34.39 arc(4.54,34.38) 4.54,34.36 4.54,34.36 arc(4.54,34.35) 4.53,34.34 arc(4.53,34.34) 4.53,34.33 J12.05 ; J8.05 39.53,47.83 arc(39.53,47.84) 39.53,47.84 arc(39.54,47.85) 39.54,47.86 39.54,47.86 arc(39.54,47.88) 39.53,47.89 39.48,47.94 arc(39.41,47.98) 39.33,48 v1(39.16,48) ; v1(21.66,21) 21.83,21 arc(21.91,20.98) 21.98,20.94 22.03,20.89 arc(22.04,20.88) 22.04,20.86 22.04,20.86 arc(22.04,20.85) 22.03,20.84 arc(22.03,20.84) 22.03,20.83 J22.05 ; v1(4.16,21) 4.33,21 arc(4.41,20.98) 4.48,20.94 4.53,20.89 arc(4.54,20.88) 4.54,20.86 4.54,20.86 arc(4.54,20.85) 4.53,20.84 arc(4.53,20.84) 4.53,20.83 J20.05 ; v1(56.66,21) 56.83,21 arc(56.91,20.98) 56.98,20.94 57.03,20.89 arc(57.04,20.88) 57.04,20.86 57.04,20.86 arc(57.04,20.85) 57.03,20.84 arc(57.03,20.84) 57.03,20.83 J26.05 ; J16.05 39.53,34.33 arc(39.53,34.34) 39.53,34.34 arc(39.54,34.35) 39.54,34.36 39.54,34.36 arc(39.54,34.38) 39.53,34.39 39.48,34.44 arc(39.41,34.48) 39.33,34.5 v1(39.16,34.5)
/A: length 291.8
  Top w0.127: v1(62.33,5.71) 62.34,5.71 arc(62.34,5.71) 62.34,5.71 62.34,6.68 ; v1(27.33,32.71) 27.34,32.71 arc(27.34,32.71) 27.34,32.71 27.34,33.68 ; 58.07,46.22 58.1,46.25 arc(58.1,46.27) 58.09,46.28 57.77,46.28 arc(57.43,46.35) 57.15,46.54 55.67,48.02 ; D17.1 20.67,48.75 arc(20.77,49.28) 21.07,49.72 22.24,50.89 arc(22.37,50.98) 22.53,51.01 v1(22.71,51.01) D15.2 ; 9.84,33.68 9.84,32.71 arc(9.84,32.71) 9.84,32.71 v1(9.83,32.71) ; D94.1 3.17,8.25 arc(3.27,8.78) 3.57,9.22 4.74,10.39 arc(4.87,10.48) 5.03,10.51 v1(5.21,10.51) D92.2 ; 9.84,47.18 9.84,46.21 arc(9.84,46.21) 9.84,46.21 v1(9.83,46.21) ; D78.2 v1(40.21,24.01) 40.03,24.01 arc(39.87,23.98) 39.74,23.89 38.57,22.72 arc(38.27,22.28) 38.17,21.75 D80.1 ; D43.2 v1(22.71,37.51) 22.53,37.51 arc(22.37,37.48) 22.24,37.39 21.07,36.22 arc(20.77,35.78) 20.67,35.25 D45.1 ; D52.1 38.17,35.25 arc(38.27,35.78) 38.57,36.22 39.74,37.39 arc(39.87,37.48) 40.03,37.51 v1(40.21,37.51) D50.2 ; v1(60.37,51.03) 60.53,50.87 arc(60.54,50.86) 60.55,50.86 arc(60.57,50.86) 60.58,50.85 D30.2 ; v1(9.83,5.71) 9.84,5.71 arc(9.84,5.71) 9.84,5.71 9.84,6.68 ; v1(42.87,51.03) 43.03,50.87 arc(43.04,50.86) 43.05,50.86 arc(43.07,50.86) 43.08,50.85 D23.2 ; v1(25.37,37.53) 25.53,37.37 arc(25.54,37.36) 25.55,37.36 arc(25.57,37.36) 25.58,37.35 D44.2 ; 58.07,32.72 58.1,32.75 arc(58.1,32.77) 58.09,32.78 57.77,32.78 arc(57.43,32.85) 57.15,33.04 55.67,34.52 ; D24.1 38.17,48.75 arc(38.27,49.28) 38.57,49.72 39.74,50.89 arc(39.87,50.98) 40.03,51.01 v1(40.21,51.01) D22.2 ; 58.07,5.72 58.1,5.75 arc(58.1,5.77) 58.09,5.78 57.77,5.78 arc(57.43,5.85) 57.15,6.04 55.67,7.52 ; 62.34,20.18 62.34,19.21 arc(62.34,19.21) 62.34,19.21 v1(62.33,19.21) ; 5.57,46.22 5.6,46.25 arc(5.6,46.27) 5.59,46.28 5.27,46.28 arc(4.93,46.35) 4.65,46.54 3.17,48.02 ; 38.17,34.52 39.65,33.04 arc(39.93,32.85) 40.27,32.78 40.59,32.78 arc(40.6,32.77) 40.6,32.75 40.57,32.72 ; 20.67,34.52 22.15,33.04 arc(22.43,32.85) 22.77,32.78 23.09,32.78 arc(23.1,32.77) 23.1,32.75 23.07,32.72 ; 40.57,5.72 40.6,5.75 arc(40.6,5.77) 40.59,5.78 40.27,5.78 arc(39.93,5.85) 39.65,6.04 38.17,7.52 ; D51.2 43.08,37.35 arc(43.07,37.36) 43.05,37.36 arc(43.04,37.36) 43.03,37.37 v1(42.87,37.53) ; 62.34,47.18 62.34,46.21 arc(62.34,46.21) 62.34,46.21 v1(62.33,46.21) ; D36.2 v1(5.21,37.51) 5.03,37.51 arc(4.87,37.48) 4.74,37.39 3.57,36.22 arc(3.27,35.78) 3.17,35.25 D38.1 ; 40.57,46.22 40.6,46.25 arc(40.6,46.27) 40.59,46.28 40.27,46.28 arc(39.93,46.35) 39.65,46.54 38.17,48.02 ; v1(42.87,10.53) 43.03,10.37 arc(43.04,10.36) 43.05,10.36 arc(43.07,10.36) 43.08,10.35 D107.2 ; D72.2 25.58,23.85 arc(25.57,23.86) 25.55,23.86 arc(25.54,23.86) 25.53,23.87 v1(25.37,24.03) ; D2.2 60.58,10.35 arc(60.57,10.36) 60.55,10.36 arc(60.54,10.36) 60.53,10.37 v1(60.37,10.53) ; D37.2 8.08,37.35 arc(8.07,37.36) 8.05,37.36 arc(8.04,37.36) 8.03,37.37 v1(7.87,37.53) ; D100.2 25.58,10.35 arc(25.57,10.36) 25.55,10.36 arc(25.54,10.36) 25.53,10.37 v1(25.37,10.53) ; D1.2 v1(57.71,10.51) 57.53,10.51 arc(57.37,10.48) 57.24,10.39 56.07,9.22 arc(55.77,8.78) 55.67,8.25 D3.1 ; 58.07,19.22 58.1,19.25 arc(58.1,19.27) 58.09,19.28 57.77,19.28 arc(57.43,19.35) 57.15,19.54 55.67,21.02 ; 5.57,5.72 5.6,5.75 arc(5.6,5.77) 5.59,5.78 5.27,5.78 arc(4.93,5.85) 4.65,6.04 3.17,7.52 ; D31.1 55.67,48.75 arc(55.77,49.28) 56.07,49.72 57.24,50.89 arc(57.37,50.98) 57.53,51.01 v1(57.71,51.01) D29.2 ; v1(9.83,19.21) 9.84,19.21 arc(9.84,19.21) 9.84,19.21 9.84,20.18 ; v1(7.87,10.53) 8.03,10.37 arc(8.04,10.36) 8.05,10.36 arc(8.07,10.36) 8.08,10.35 D93.2 ; 20.67,7.52 22.15,6.04 arc(22.43,5.85) 22.77,5.78 23.09,5.78 arc(23.1,5.77) 23.1,5.75 23.07,5.72 ; v1(60.37,37.53) 60.53,37.37 arc(60.54,37.36) 60.55,37.36 arc(60.57,37.36) 60.58,37.35 D58.2 ; D65.2 8.08,23.85 arc(8.07,23.86) 8.05,23.86 arc(8.04,23.86) 8.03,23.87 v1(7.87,24.03) ; v1(27.33,46.21) 27.34,46.21 arc(27.34,46.21) 27.34,46.21 27.34,47.18 ; D99.2 v1(22.71,10.51) 22.53,10.51 arc(22.37,10.48) 22.24,10.39 21.07,9.22 arc(20.77,8.78) 20.67,8.25 D101.1 ; v1(44.83,32.71) 44.84,32.71 arc(44.84,32.71) 44.84,32.71 44.84,33.68 ; D73.1 20.67,21.75 arc(20.77,22.28) 21.07,22.72 22.24,23.89 arc(22.37,23.98) 22.53,24.01 v1(22.71,24.01) D71.2 ; 44.84,47.18 44.84,46.21 arc(44.84,46.21) 44.84,46.21 v1(44.83,46.21) ; D108.1 38.17,8.25 arc(38.27,8.78) 38.57,9.22 39.74,10.39 arc(39.87,10.48) 40.03,10.51 v1(40.21,10.51) D106.2 ; v1(27.33,5.71) 27.34,5.71 arc(27.34,5.71) 27.34,5.71 27.34,6.68 ; 3.17,21.02 4.65,19.54 arc(4.93,19.35) 5.27,19.28 5.59,19.28 arc(5.6,19.27) 5.6,19.25 5.57,19.22 ; v1(44.83,19.21) 44.84,19.21 arc(44.84,19.21) 44.84,19.21 44.84,20.18 ; D87.1 55.67,21.75 arc(55.77,22.28) 56.07,22.72 57.24,23.89 arc(57.37,23.98) 57.53,24.01 v1(57.71,24.01) D85.2 ; 23.07,46.22 23.1,46.25 arc(23.1,46.27) 23.09,46.28 22.77,46.28 arc(22.43,46.35) 22.15,46.54 20.67,48.02 ; D10.1 3.17,48.75 arc(3.27,49.28) 3.57,49.72 4.74,50.89 arc(4.87,50.98) 5.03,51.01 v1(5.21,51.01) D8.2 ; 23.07,19.22 23.1,19.25 arc(23.1,19.27) 23.09,19.28 22.77,19.28 arc(22.43,19.35) 22.15,19.54 20.67,21.02 ; D64.2 v1(5.21,24.01) 5.03,24.01 arc(4.87,23.98) 4.74,23.89 3.57,22.72 arc(3.27,22.28) 3.17,21.75 D66.1 ; 44.84,6.68 44.84,5.71 arc(44.84,5.71) 44.84,5.71 v1(44.83,5.71) ; v1(60.37,24.03) 60.53,23.87 arc(60.54,23.86) 60.55,23.86 arc(60.57,23.86) 60.58,23.85 D86.2 ; v1(62.33,32.71) 62.34,32.71 arc(62.34,32.71) 62.34,32.71 62.34,33.68 ; v1(25.37,51.03) 25.53,50.87 arc(25.54,50.86) 25.55,50.86 arc(25.57,50.86) 25.58,50.85 D16.2 ; D57.2 v1(57.71,37.51) 57.53,37.51 arc(57.37,37.48) 57.24,37.39 56.07,36.22 arc(55.77,35.78) 55.67,35.25 D59.1 ; 5.57,32.72 5.6,32.75 arc(5.6,32.77) 5.59,32.78 5.27,32.78 arc(4.93,32.85) 4.65,33.04 3.17,34.52 ; D79.2 43.08,23.85 arc(43.07,23.86) 43.05,23.86 arc(43.04,23.86) 43.03,23.87 v1(42.87,24.03) ; 40.57,19.22 40.6,19.25 arc(40.6,19.27) 40.59,19.28 40.27,19.28 arc(39.93,19.35) 39.65,19.54 38.17,21.02 ; D9.2 8.08,50.85 arc(8.07,50.86) 8.05,50.86 arc(8.04,50.86) 8.03,50.87 v1(7.87,51.03) ; v1(27.33,19.21) 27.34,19.21 arc(27.34,19.21) 27.34,19.21 27.34,20.18
  In1.Cu w0.127: 62.34,32.58 62.34,34.69 arc(62.12,35.78) 61.51,36.7 60.78,37.42 arc(60.66,37.5) 60.52,37.53 57.74,37.53 arc(57.73,37.53) 57.72,37.52 v1(57.71,37.51) ; 27.34,46.08 27.34,48.19 arc(27.12,49.28) 26.51,50.2 25.78,50.92 arc(25.66,51) 25.52,51.03 22.74,51.03 arc(22.73,51.03) 22.72,51.02 v1(22.71,51.01) ; v1(22.71,37.51) 22.72,37.52 arc(22.73,37.53) 22.74,37.53 25.52,37.53 arc(25.66,37.5) 25.78,37.42 26.51,36.7 arc(27.12,35.78) 27.34,34.69 27.34,32.58 ; v1(57.71,10.51) 57.72,10.52 arc(57.73,10.53) 57.74,10.53 60.52,10.53 arc(60.66,10.5) 60.78,10.42 61.51,9.7 arc(62.12,8.78) 62.34,7.69 62.34,5.58 ; 44.84,46.08 44.84,48.19 arc(44.62,49.28) 44.01,50.2 43.28,50.92 arc(43.16,51) 43.02,51.03 40.24,51.03 arc(40.23,51.03) 40.22,51.02 v1(40.21,51.01) ; v1(22.71,10.51) 22.72,10.52 arc(22.73,10.53) 22.74,10.53 25.52,10.53 arc(25.66,10.5) 25.78,10.42 26.51,9.7 arc(27.12,8.78) 27.34,7.69 27.34,5.58 ; 44.84,5.58 44.84,7.69 arc(44.62,8.78) 44.01,9.7 43.28,10.42 arc(43.16,10.5) 43.02,10.53 40.24,10.53 arc(40.23,10.53) 40.22,10.52 v1(40.21,10.51) ; 44.84,32.58 44.84,34.69 arc(44.62,35.78) 44.01,36.7 43.28,37.42 arc(43.16,37.5) 43.02,37.53 40.24,37.53 arc(40.23,37.53) 40.22,37.52 v1(40.21,37.51) ; 9.84,19.08 9.84,21.19 arc(9.62,22.28) 9.01,23.2 8.28,23.92 arc(8.16,24) 8.02,24.03 5.24,24.03 arc(5.23,24.03) 5.22,24.02 v1(5.21,24.01) ; v1(5.21,10.51) 5.22,10.52 arc(5.23,10.53) 5.24,10.53 8.02,10.53 arc(8.16,10.5) 8.28,10.42 9.01,9.7 arc(9.62,8.78) 9.84,7.69 9.84,5.58 ; 9.84,32.58 9.84,34.69 arc(9.62,35.78) 9.01,36.7 8.28,37.42 arc(8.16,37.5) 8.02,37.53 5.24,37.53 arc(5.23,37.53) 5.22,37.52 v1(5.21,37.51) ; 44.84,19.08 44.84,21.19 arc(44.62,22.28) 44.01,23.2 43.28,23.92 arc(43.16,24) 43.02,24.03 40.24,24.03 arc(40.23,24.03) 40.22,24.02 v1(40.21,24.01) ; v1(5.21,51.01) 5.22,51.02 arc(5.23,51.03) 5.24,51.03 8.02,51.03 arc(8.16,51) 8.28,50.92 9.01,50.2 arc(9.62,49.28) 9.84,48.19 9.84,46.08 ; v1(57.71,51.01) 57.72,51.02 arc(57.73,51.03) 57.74,51.03 60.52,51.03 arc(60.66,51) 60.78,50.92 61.51,50.2 arc(62.12,49.28) 62.34,48.19 62.34,46.08 ; 62.34,19.08 62.34,21.19 arc(62.12,22.28) 61.51,23.2 60.78,23.92 arc(60.66,24) 60.52,24.03 57.74,24.03 arc(57.73,24.03) 57.72,24.02 v1(57.71,24.01) ; v1(22.71,24.01) 22.72,24.02 arc(22.73,24.03) 22.74,24.03 25.52,24.03 arc(25.66,24) 25.78,23.92 26.51,23.2 arc(27.12,22.28) 27.34,21.19 27.34,19.08
